# Altium PCB Board.PcbDoc (part 14 of 15) (continued)
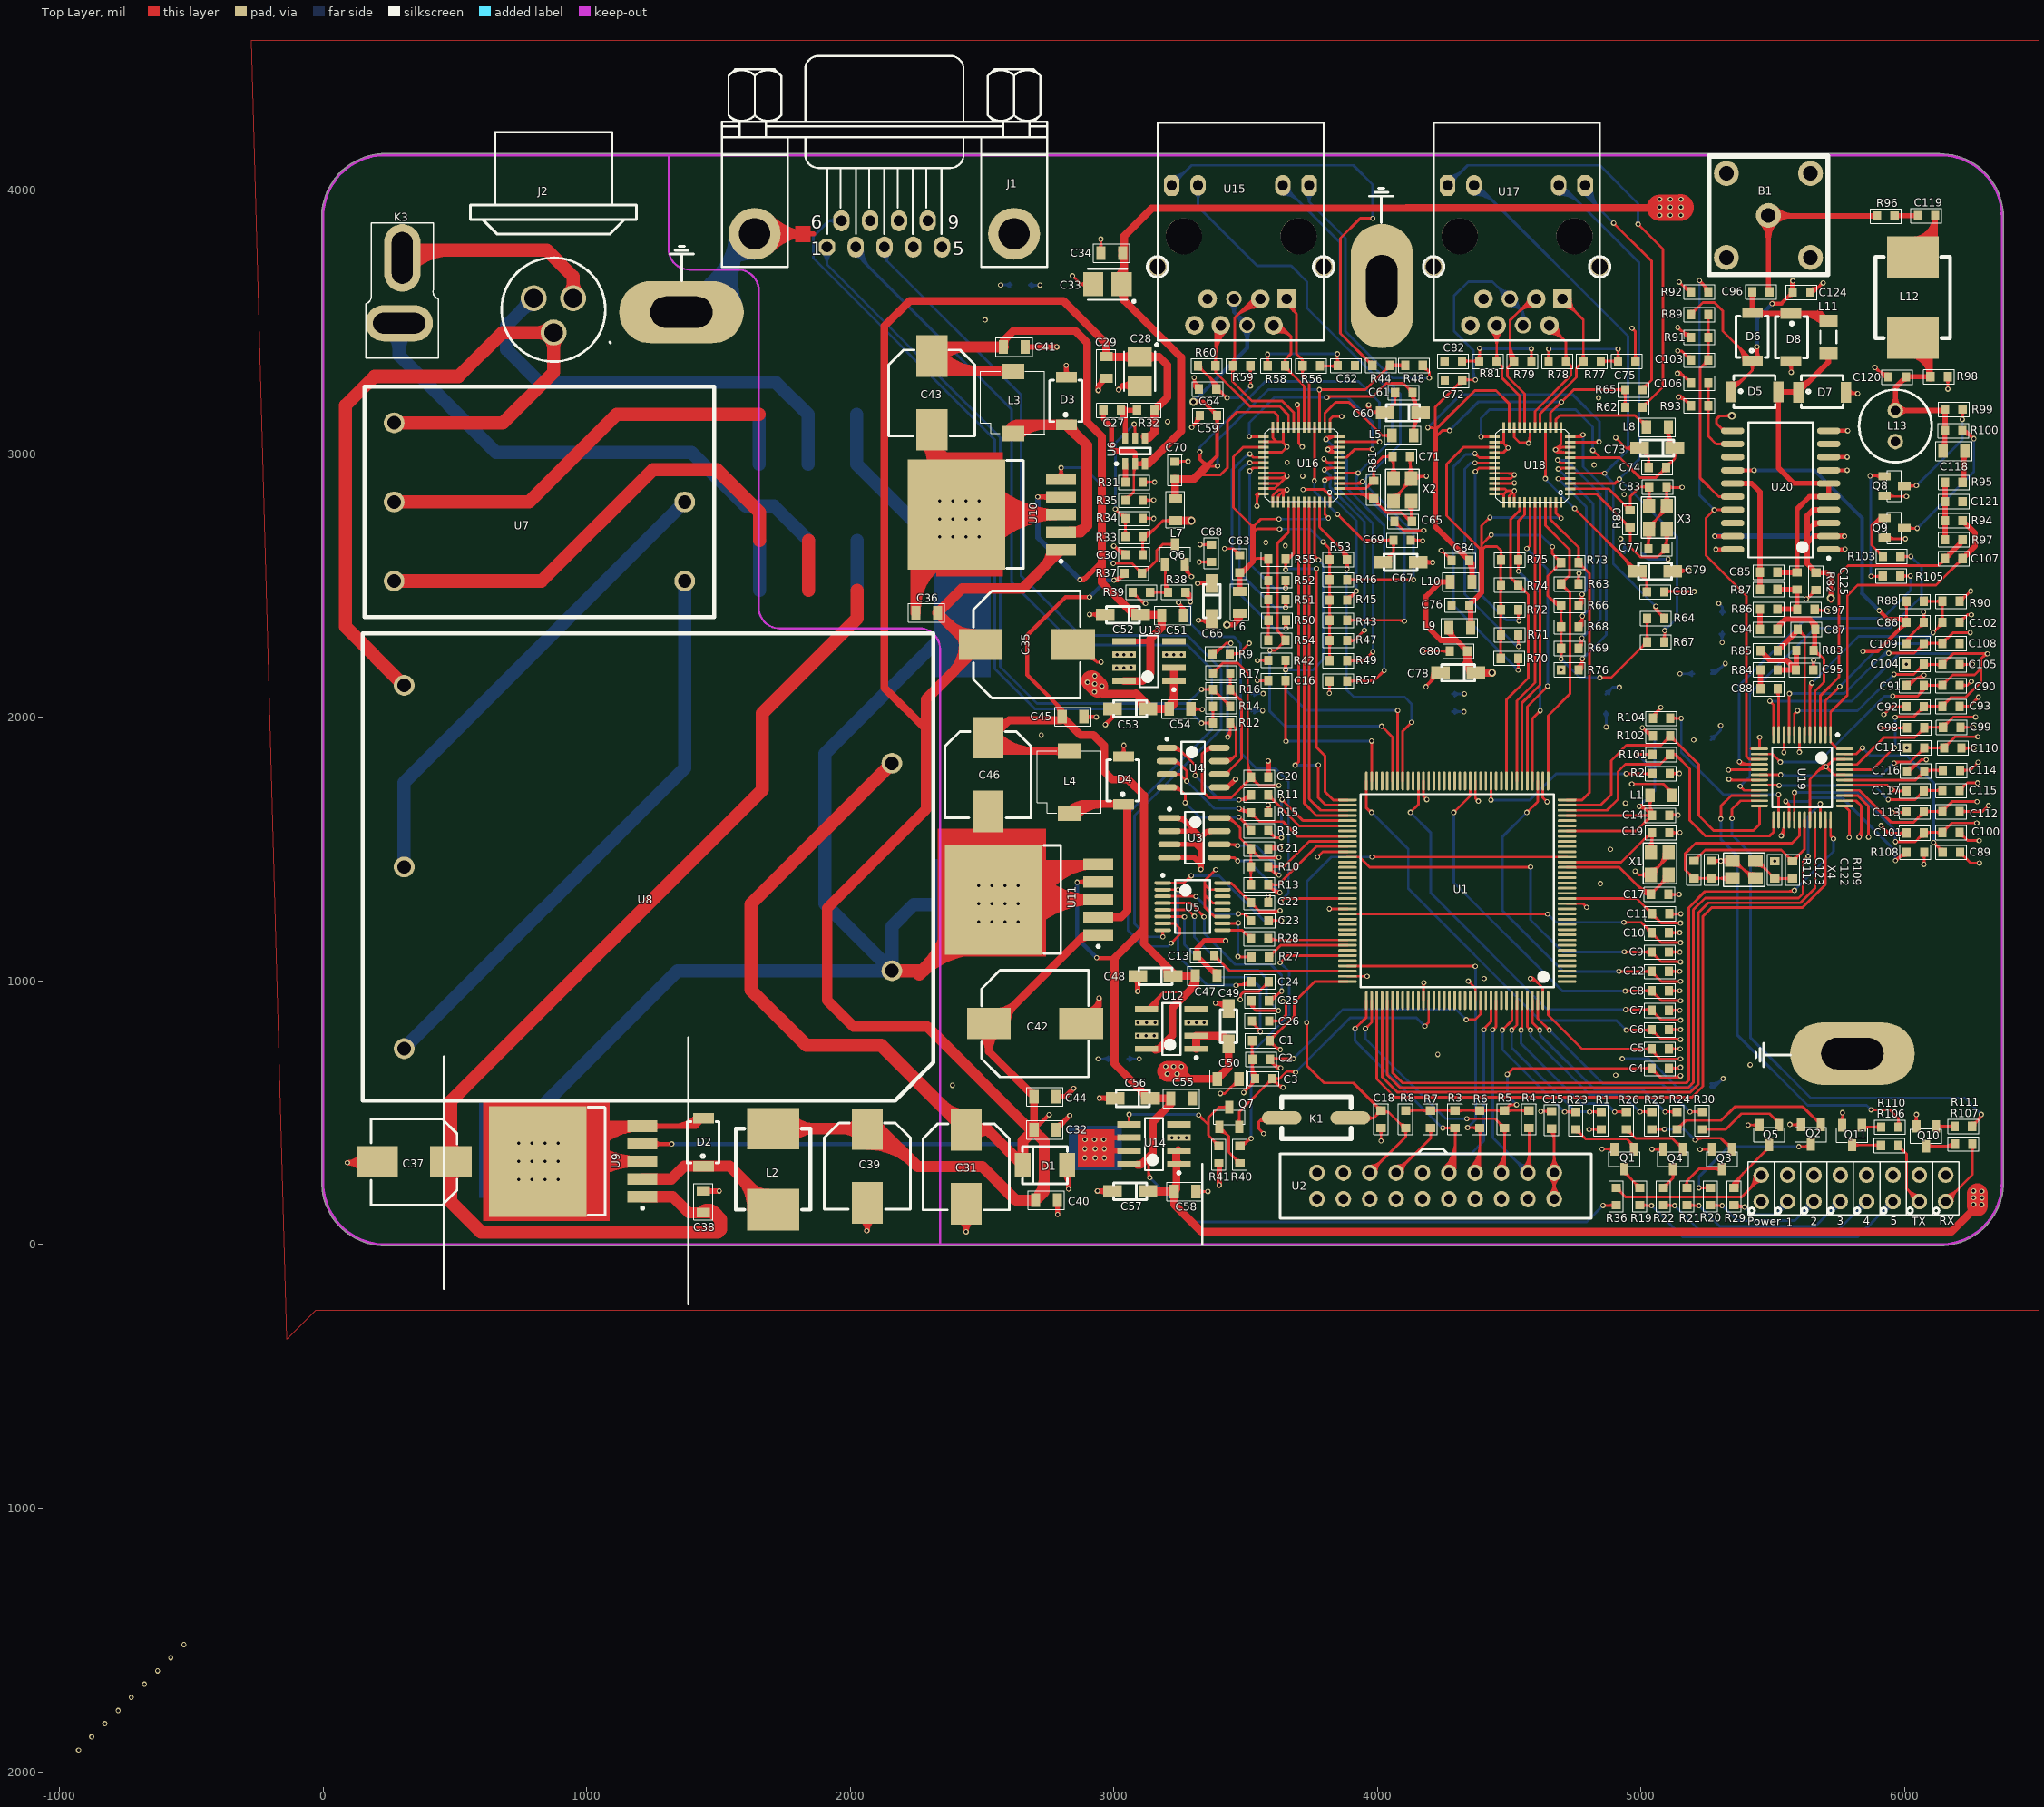
[diagram p0: Top Layer view]
## Nets (pads, with @x,y where several pads share a name; then routed paths per layer and width w, separated by ;. In a path a pad name is that pad's centre, name@x,y a point inside that pad or via, vN(x,y) a via of type N, cw(c..) or ccw(c..) an arc to the next point about the centre after c; other vN are vias at no path point) (continued)
  Top Layer w15: U20.7@5347.43,2937.45 v1(5428.6,2937.45) ; v1@5841.6,2251.45 5897.31,2251.45 C86.2@6006.45,2360.59 ; v1(5902.6,2405.45) 5934.6,2373.45 5990.6,2373.45 ; 5960.24,2373.45 cw(c5960.24,2316.35) C86.2@6000.62,2356.73 ; 5960.24,2373.45 cw(c5960.24,2316.35) C86.2@6000.62,2356.73 ; 5960.24,2373.45 cw(c5960.24,2316.35) C86.2@6000.62,2356.73 ; 5989.01,2343.15 cw(c6006.45,2325.71) C86.2@6006.45,2350.37 ; 5989.01,2343.15 cw(c6006.45,2325.71) C86.2@6006.45,2350.37 ; 5989.01,2343.15 cw(c6006.45,2325.71) C86.2@6006.45,2350.37 ; C86.2@5993.76,2347.9 ccw(c5983.04,2358.62) C86.2@5998.2,2358.62 ; C86.2@5993.76,2347.9 ccw(c5983.04,2358.62) C86.2@5998.2,2358.62 ; C86.2@5993.76,2347.9 ccw(c5983.04,2358.62) C86.2@5998.2,2358.62
  Top Layer w30: C57.2@3128.54,202.45 3129.54,201.45 C58.1@3228.6,201.45 ; U14.1@3236.6,298.45 U14.2@3236.6,348.45 ; U14.1@3237.6,296.45 3237.6,210.45 C58.1@3228.6,201.45 ; 6275.6,147.45 6177.6,49.45 3331.6,49.45 3228.6,152.45 C58.1@3228.6,201.45 ; C58.1@3226.68,211.24 ccw(c3200.31,237.61) 3237.6,237.61 ; C58.1@3226.68,211.24 ccw(c3200.31,237.61) 3237.6,237.61 ; C58.1@3226.68,211.24 ccw(c3200.31,237.61) 3237.6,237.61 ; 3236.6,321.89 ccw(c3263.04,321.89) U14.1@3244.34,303.19 ; 3236.6,321.89 ccw(c3263.04,321.89) U14.1@3244.34,303.19 ; 3236.6,321.89 ccw(c3263.04,321.89) U14.1@3244.34,303.19 ; 3236.6,339.01 cw(c3263.04,339.01) U14.2@3244.34,357.7 ; 3236.6,339.01 cw(c3263.04,339.01) U14.2@3244.34,357.7 ; 3236.6,339.01 cw(c3263.04,339.01) U14.2@3244.34,357.7 ; 3237.6,291.42 cw(c3260.63,291.42) U14.1@3244.34,307.7 ; 3237.6,291.42 cw(c3260.63,291.42) U14.1@3244.34,307.7 ; 3237.6,291.42 cw(c3260.63,291.42) U14.1@3244.34,307.7 ; 6256.7,128.55 ccw(c6232.8,152.45) v1@6266.6,152.45 ; 6256.7,128.55 ccw(c6232.8,152.45) v1@6266.6,152.45 ; 6256.7,128.55 ccw(c6232.8,152.45) v1@6266.6,152.45 ; 6278.94,150.79 cw(c6292.6,137.14) v1@6292.6,156.45 ; 6278.94,150.79 cw(c6292.6,137.14) v1@6292.6,156.45 ; 6278.94,150.79 cw(c6292.6,137.14) v1@6292.6,156.45 ; 6278.94,150.79 cw(c6292.6,137.14) v1@6292.6,156.45 ; 6278.94,150.79 cw(c6292.6,137.14) v1@6292.6,156.45 ; 6278.94,150.79 cw(c6292.6,137.14) v1@6292.6,156.45
  Top Layer w80: 6275.6,147.45 6275.6,192.45
  Bottom Layer w10: C.1@5263.6,597.45 5279.6,597.45 v1(5311.6,629.45) cw(c5265.01,676.03) C.1@5263.8,610.16 ; C.1@5263.61,600.17 ccw(c5264.41,643.36) 5294.96,612.81 ; C.1@5265.6,1914.45 5301.6,1950.45 v1(5301.6,1969.45) ; C.1@5265.6,1927.17 ccw(c5265.6,1957.87) 5287.31,1936.16 ; C.1@5266.6,2165.45 5280.6,2165.45 v1(5319.6,2204.45) ; C.1@5266.6,2168.17 ccw(c5266.6,2208.52) 5295.14,2179.99 ; C.1@5266.6,2178.17 ccw(c5266.6,2242.66) 5312.21,2197.06 ; C.1@5276.35,1916.42 cw(c5297.54,1916.42) 5282.55,1931.4 ; v1@5298.06,1965.91 cw(c5289.53,1957.38) 5301.6,1957.38 cw(c5313.67,1957.38) v1@5305.13,1965.91 ; C.2@5299.03,2316.85 cw(c5278.34,2296.16) 5307.6,2296.16 ; v1@5304.06,2287.98 ccw(c5295.53,2296.52) 5307.6,2296.52 ccw(c5319.67,2296.52) v1@5311.13,2287.98 ; v1@5306.6,629.45 cw(c5294.53,629.45) 5303.06,620.91 cw(c5311.6,612.38) v1@5311.6,624.45 ; v1(5307.6,2284.45) 5307.6,2323.45 C.2@5308.6,2324.45 ; 5307.6,2300.84 cw(c5330.24,2300.84) C.2@5314.23,2316.85 ; v1@5314.6,2204.45 cw(c5302.53,2204.45) 5311.06,2195.91 cw(c5319.6,2187.38) v1@5319.6,2199.45 ; v1(5529.6,1782.45) 5532.21,1779.84 5910.99,1779.84 5959.6,1828.45 v1(5959.6,1826.45) ; v1@5533.13,1778.91 cw(c5541.67,1770.38) 5541.67,1782.45 cw(c5541.67,1794.52) v1@5533.13,1785.98 ; v1(5562.6,2090.45) 5771.6,2090.45 5924.6,2243.45 v1(5939.6,2243.45) ; v1(5581.6,1715.45) 5820.6,1715.45 5964.6,1571.45 v1(5964.6,1528.45) ; v1@5533.13,1785.98 ccw(c5547.97,1800.82) 5547.97,1779.84 cw(c5547.97,1800.82) v1@5533.13,1785.98 ; v1@5566.13,2086.91 cw(c5574.67,2078.38) 5574.67,2090.45 ; v1@5566.13,2086.91 cw(c5574.67,2078.38) 5574.67,2090.45 ; v1@5566.13,2086.91 cw(c5574.67,2078.38) 5574.67,2090.45 ; v1@5566.13,2093.98 ccw(c5574.67,2102.52) 5574.67,2090.45 ; v1@5566.13,2093.98 ccw(c5574.67,2102.52) 5574.67,2090.45 ; v1@5566.13,2093.98 ccw(c5574.67,2102.52) 5574.67,2090.45 ; v1@5585.13,1711.91 cw(c5593.67,1703.38) 5593.67,1715.45 ; v1@5585.13,1711.91 cw(c5593.67,1703.38) 5593.67,1715.45 ; v1@5585.13,1711.91 cw(c5593.67,1703.38) 5593.67,1715.45 ; v1@5585.13,1718.98 ccw(c5593.67,1727.52) 5593.67,1715.45 ; v1@5585.13,1718.98 ccw(c5593.67,1727.52) 5593.67,1715.45 ; v1@5585.13,1718.98 ccw(c5593.67,1727.52) 5593.67,1715.45 ; 5905.46,2224.31 cw(c5939.6,2190.16) v1@5939.6,2238.45 ; 5905.46,2224.31 cw(c5939.6,2190.16) v1@5939.6,2238.45 ; 5905.46,2224.31 cw(c5939.6,2190.16) v1@5939.6,2238.45 ; 5922.53,2241.38 cw(c5939.6,2224.31) v1@5939.6,2248.45 ; 5922.53,2241.38 cw(c5939.6,2224.31) v1@5939.6,2248.45 ; 5922.53,2241.38 cw(c5939.6,2224.31) v1@5939.6,2248.45 ; 5927.53,2243.45 cw(c5927.53,2231.38) v1@5936.06,2239.91 ; 5927.53,2243.45 ccw(c5927.53,2255.52) v1@5936.06,2246.98 ; 5927.53,2243.45 cw(c5927.53,2231.38) v1@5936.06,2239.91 ; 5927.53,2243.45 ccw(c5927.53,2255.52) v1@5936.06,2246.98 ; 5927.53,2243.45 ccw(c5927.53,2255.52) v1@5936.06,2246.98 ; 5927.53,2243.45 cw(c5927.53,2231.38) v1@5936.06,2239.91 ; 5947.65,1816.5 cw(c5959.6,1804.55) v1@5959.6,1821.45 ; 5947.65,1816.5 cw(c5959.6,1804.55) v1@5959.6,1821.45 ; 5947.65,1816.5 cw(c5959.6,1804.55) v1@5959.6,1821.45 ; v1@5961.06,1531.98 ccw(c5952.53,1540.52) 5964.6,1540.52 ; v1@5961.06,1531.98 ccw(c5952.53,1540.52) 5964.6,1540.52 ; v1@5961.06,1531.98 ccw(c5952.53,1540.52) 5964.6,1540.52 ; 5964.6,1540.52 ccw(c5976.67,1540.52) v1@5968.13,1531.98 ; 5964.6,1540.52 ccw(c5976.67,1540.52) v1@5968.13,1531.98 ; 5964.6,1540.52 ccw(c5976.67,1540.52) v1@5968.13,1531.98 ; 5917.1,2235.95 cw(c5929.27,2223.77) 5937.28,2239.02 ccw(c5929.27,2223.77) 5917.1,2235.95 ; 5926.71,2245.56 cw(c5935.89,2236.38) 5941.92,2247.88 ccw(c5935.89,2236.38) 5926.71,2245.56
  Bottom Layer w15: v1(5428.6,2937.45) 5657.6,2937.45 5838.6,2756.45 5838.6,2469.95 ; 5838.1,2469.95 v1(5902.6,2405.45)
  other v1: 6292.6,151.45 6261.6,152.45 6261.6,177.95 6293.6,177.45 6292.6,202.45 6261.6,203.45 5841.6,2250.45
VDD_CORE: C114.2 C115.2 C116.2 C117.2 U19.20 U19.42 | length 2062.7
  Top Layer w10: U19.20@5449.18,1742.92 5522.13,1742.92 v1(5523.6,1741.45) ; U19.42@5772.02,1762.61 6040.76,1762.61 C116.2@6074.6,1796.45 6077.6,1799.45 C114.2@6144.6,1799.45 ; v1(5937.6,1688.45) 6039.88,1688.45 6074.34,1722.9 C115.2@6142.6,1722.9 ; 5507.97,1742.92 cw(c5507.97,1725.82) v1@5520.06,1737.91 ; 5507.97,1742.92 cw(c5507.97,1725.82) v1@5520.06,1737.91 ; 5507.97,1742.92 cw(c5507.97,1725.82) v1@5520.06,1737.91 ; v1@5941.13,1684.91 cw(c5949.67,1676.38) 5949.67,1688.45 ; v1@5941.13,1684.91 cw(c5949.67,1676.38) 5949.67,1688.45 ; v1@5941.13,1684.91 cw(c5949.67,1676.38) 5949.67,1688.45 ; v1@5941.13,1691.98 ccw(c5949.67,1700.52) 5949.67,1688.45 ; v1@5941.13,1691.98 ccw(c5949.67,1700.52) 5949.67,1688.45 ; v1@5941.13,1691.98 ccw(c5949.67,1700.52) 5949.67,1688.45 ; 6050.89,1699.46 cw(c6072.6,1677.75) C117.2@6072.6,1708.45 ; 6050.89,1699.46 cw(c6072.6,1677.75) C117.2@6072.6,1708.45 ; 6050.89,1699.46 cw(c6072.6,1677.75) C117.2@6072.6,1708.45 ; 6052.89,1774.74 cw(c6074.6,1753.03) C116.2@6074.6,1783.73 ; 6052.89,1774.74 cw(c6074.6,1753.03) C116.2@6074.6,1783.73 ; 6052.89,1774.74 cw(c6074.6,1753.03) C116.2@6074.6,1783.73 ; 6055.64,1704.21 ccw(c6040.65,1719.2) C117.2@6061.85,1719.2 ; 6055.64,1704.21 ccw(c6040.65,1719.2) C117.2@6061.85,1719.2 ; 6055.64,1704.21 ccw(c6040.65,1719.2) C117.2@6061.85,1719.2 ; 6057.64,1779.49 ccw(c6042.65,1794.48) C116.2@6063.85,1794.48 ; 6057.64,1779.49 ccw(c6042.65,1794.48) C116.2@6063.85,1794.48 ; 6057.64,1779.49 ccw(c6042.65,1794.48) C116.2@6063.85,1794.48 ; C117.2@6080.2,1715.53 cw(c6097.99,1697.74) 6097.99,1722.9 ; C117.2@6080.2,1715.53 cw(c6097.99,1697.74) 6097.99,1722.9 ; C117.2@6080.2,1715.53 cw(c6097.99,1697.74) 6097.99,1722.9 ; C117.2@6080.2,1730.73 ccw(c6099.1,1749.64) 6099.1,1722.9 ; C117.2@6080.2,1730.73 ccw(c6099.1,1749.64) 6099.1,1722.9 ; C117.2@6080.2,1730.73 ccw(c6099.1,1749.64) 6099.1,1722.9 ; C116.2@6082.2,1790.82 cw(c6103.04,1769.98) 6103.04,1799.45 ; C116.2@6082.2,1790.82 cw(c6103.04,1769.98) 6103.04,1799.45 ; C116.2@6082.2,1790.82 cw(c6103.04,1769.98) 6103.04,1799.45 ; C116.2@6082.2,1806.02 ccw(c6098.06,1821.88) 6098.06,1799.45 ; C116.2@6082.2,1806.02 ccw(c6098.06,1821.88) 6098.06,1799.45 ; C116.2@6082.2,1806.02 ccw(c6098.06,1821.88) 6098.06,1799.45 ; 6116.65,1722.9 cw(c6116.65,1696.95) C115.2@6135,1715.3 ; 6116.65,1722.9 ccw(c6116.65,1748.85) C115.2@6135,1730.5 ; 6116.65,1722.9 cw(c6116.65,1696.95) C115.2@6135,1715.3 ; 6116.65,1722.9 ccw(c6116.65,1748.85) C115.2@6135,1730.5 ; 6116.65,1722.9 ccw(c6116.65,1748.85) C115.2@6135,1730.5 ; 6116.65,1722.9 cw(c6116.65,1696.95) C115.2@6135,1715.3 ; 6118.65,1799.45 cw(c6118.65,1773.5) C114.2@6137,1791.85 ; 6118.65,1799.45 ccw(c6118.65,1825.4) C114.2@6137,1807.05 ; 6118.65,1799.45 cw(c6118.65,1773.5) C114.2@6137,1791.85 ; 6118.65,1799.45 ccw(c6118.65,1825.4) C114.2@6137,1807.05 ; 6118.65,1799.45 ccw(c6118.65,1825.4) C114.2@6137,1807.05 ; 6118.65,1799.45 cw(c6118.65,1773.5) C114.2@6137,1791.85
  Bottom Layer w10: v1(5523.6,1741.45) 5884.6,1741.45 v1(5937.6,1688.45) ; v1@5527.13,1737.91 cw(c5535.67,1729.38) 5535.67,1741.45 ; v1@5527.13,1737.91 cw(c5535.67,1729.38) 5535.67,1741.45 ; v1@5527.13,1737.91 cw(c5535.67,1729.38) 5535.67,1741.45 ; v1@5527.13,1744.98 ccw(c5535.67,1753.52) 5535.67,1741.45 ; v1@5527.13,1744.98 ccw(c5535.67,1753.52) 5535.67,1741.45 ; v1@5527.13,1744.98 ccw(c5535.67,1753.52) 5535.67,1741.45 ; 5929.06,1696.98 cw(c5920.53,1688.45) v1@5932.6,1688.45 ; 5929.06,1696.98 ccw(c5937.6,1705.52) v1@5937.6,1693.45 ; 5929.06,1696.98 cw(c5920.53,1688.45) v1@5932.6,1688.45 ; 5929.06,1696.98 ccw(c5937.6,1705.52) v1@5937.6,1693.45 ; 5929.06,1696.98 ccw(c5937.6,1705.52) v1@5937.6,1693.45 ; 5929.06,1696.98 cw(c5920.53,1688.45) v1@5932.6,1688.45
XI1: C65.2 R61.1 U16.1 X2.1 | length 1389
  Top Layer w10: U16.1@3855.6,2848.45 3968.6,2848.45 ; R61.1@3973.09,2833.57 ccw(c3956.97,2836.82) 3968.6,2848.45 ; X2.1@4127.6,2820.45 4127.6,2746.45 C65.2@4130.6,2743.45 4123.6,2743.45 4089.6,2777.45 4034.1,2777.45 3985.6,2825.95 R61.1@3985.6,2831.45 3968.6,2848.45 ; 3968.64,2848.4 ccw(c3983.63,2863.39) R61.1@3983.63,2842.2 ; 3968.64,2848.4 ccw(c3983.63,2863.39) R61.1@3983.63,2842.2 ; 3968.64,2848.4 ccw(c3983.63,2863.39) R61.1@3983.63,2842.2 ; R61.1@3998.31,2831.45 ccw(c4042.28,2831.45) 4011.19,2800.36 ; R61.1@3998.31,2831.45 ccw(c4042.28,2831.45) 4011.19,2800.36 ; R61.1@3998.31,2831.45 ccw(c4042.28,2831.45) 4011.19,2800.36 ; 4096.94,2770.11 ccw(c4130.6,2803.77) C65.2@4130.6,2756.17 ; 4096.94,2770.11 ccw(c4130.6,2803.77) C65.2@4130.6,2756.17 ; 4096.94,2770.11 ccw(c4130.6,2803.77) C65.2@4130.6,2756.17 ; 4114.01,2753.04 ccw(c4130.6,2769.62) C65.2@4130.6,2746.17 ; 4114.01,2753.04 ccw(c4130.6,2769.62) C65.2@4130.6,2746.17 ; 4114.01,2753.04 ccw(c4130.6,2769.62) C65.2@4130.6,2746.17 ; X2.1@4114.43,2803.34 cw(c4082.64,2771.55) 4127.6,2771.55 ; X2.1@4114.43,2803.34 cw(c4082.64,2771.55) 4127.6,2771.55 ; X2.1@4114.43,2803.34 cw(c4082.64,2771.55) 4127.6,2771.55 ; C65.2@4123,2753.02 ccw(c4111.89,2764.12) 4127.6,2764.12 ; C65.2@4123,2753.02 ccw(c4111.89,2764.12) 4127.6,2764.12 ; C65.2@4123,2753.02 ccw(c4111.89,2764.12) 4127.6,2764.12 ; 4127.6,2771.55 cw(c4172.56,2771.55) X2.1@4140.77,2803.34 ; 4127.6,2771.55 cw(c4172.56,2771.55) X2.1@4140.77,2803.34 ; 4127.6,2771.55 cw(c4172.56,2771.55) X2.1@4140.77,2803.34 ; 4127.6,2778.61 ccw(c4163.79,2778.61) C65.2@4138.2,2753.02 ; 4127.6,2778.61 ccw(c4163.79,2778.61) C65.2@4138.2,2753.02 ; 4127.6,2778.61 ccw(c4163.79,2778.61) C65.2@4138.2,2753.02 ; 3916.64,2848.45 cw(c3916.64,2764.46) 3976.03,2823.85 ccw(c3916.64,2764.46) 3916.64,2848.45 ; 3940.78,2848.45 cw(c3940.78,2788.6) 3983.1,2830.92 ccw(c3940.78,2788.6) 3940.78,2848.45 ; 3964.92,2848.45 cw(c3964.92,2812.74) 3990.17,2837.99 ccw(c3964.92,2812.74) 3964.92,2848.45 ; 3967.62,2849.43 cw(c3954.09,2835.91) 3973,2833.05 ccw(c3954.09,2835.91) 3967.62,2849.43
XI2: C77.2 R80.1 U18.1 X3.1 | length 1294.2
  Top Layer w10: U18.1@4731.6,2847.45 4830.6,2847.45 R80.1@4958.6,2719.45 4958.6,2646.45 4996.6,2608.45 5062.6,2608.45 C77.2@5093.6,2639.45 5097.6,2643.45 X3.1@5097.6,2714.45 ; 4936.89,2741.16 cw(c4915.18,2719.45) R80.1@4945.88,2719.45 ; 4936.89,2741.16 cw(c4915.18,2719.45) R80.1@4945.88,2719.45 ; 4936.89,2741.16 cw(c4915.18,2719.45) R80.1@4945.88,2719.45 ; 4941.64,2736.4 ccw(c4956.63,2751.39) R80.1@4956.63,2730.2 ; 4941.64,2736.4 ccw(c4956.63,2751.39) R80.1@4956.63,2730.2 ; 4941.64,2736.4 ccw(c4956.63,2751.39) R80.1@4956.63,2730.2 ; R80.1@4951,2711.85 cw(c4932.65,2693.5) 4958.6,2693.5 ; R80.1@4951,2711.85 cw(c4932.65,2693.5) 4958.6,2693.5 ; R80.1@4951,2711.85 cw(c4932.65,2693.5) 4958.6,2693.5 ; 4958.6,2693.5 cw(c4984.55,2693.5) R80.1@4966.2,2711.85 ; 4958.6,2693.5 cw(c4984.55,2693.5) R80.1@4966.2,2711.85 ; 4958.6,2693.5 cw(c4984.55,2693.5) R80.1@4966.2,2711.85 ; 5071.89,2617.74 cw(c5093.6,2596.03) C77.2@5093.6,2626.73 ; 5071.89,2617.74 cw(c5093.6,2596.03) C77.2@5093.6,2626.73 ; 5071.89,2617.74 cw(c5093.6,2596.03) C77.2@5093.6,2626.73 ; 5076.64,2622.49 ccw(c5061.65,2637.48) C77.2@5082.85,2637.48 ; 5076.64,2622.49 ccw(c5061.65,2637.48) C77.2@5082.85,2637.48 ; 5076.64,2622.49 ccw(c5061.65,2637.48) C77.2@5082.85,2637.48 ; X3.1@5084.43,2697.34 cw(c5052.64,2665.55) 5097.6,2665.55 ; X3.1@5084.43,2697.34 cw(c5052.64,2665.55) 5097.6,2665.55 ; X3.1@5084.43,2697.34 cw(c5052.64,2665.55) 5097.6,2665.55 ; C77.2@5086,2649.02 ccw(c5057.99,2677.02) 5097.6,2677.02 ; C77.2@5086,2649.02 ccw(c5057.99,2677.02) 5097.6,2677.02 ; C77.2@5086,2649.02 ccw(c5057.99,2677.02) 5097.6,2677.02 ; 5097.6,2657.71 ccw(c5109.89,2657.71) C77.2@5101.2,2649.02 ; 5097.6,2657.71 ccw(c5109.89,2657.71) C77.2@5101.2,2649.02 ; 5097.6,2657.71 ccw(c5109.89,2657.71) C77.2@5101.2,2649.02 ; 5097.6,2665.55 cw(c5142.56,2665.55) X3.1@5110.77,2697.34 ; 5097.6,2665.55 cw(c5142.56,2665.55) X3.1@5110.77,2697.34 ; 5097.6,2665.55 cw(c5142.56,2665.55) X3.1@5110.77,2697.34
XIN: C123.1 R112.1 U19.30 X4.1 | length 1476.9
  Top Layer w10: X4.1@5346.6,1389.45 C123.1@5268.6,1389.45 R112.1@5200.6,1389.45 5166.6,1423.45 5166.6,1482.45 5206.6,1522.45 5572.6,1522.45 5600.76,1550.61 U19.30@5600.76,1611.03 ; 5178.89,1411.16 cw(c5157.18,1389.45) R112.1@5187.88,1389.45 ; 5178.89,1411.16 cw(c5157.18,1389.45) R112.1@5187.88,1389.45 ; 5178.89,1411.16 cw(c5157.18,1389.45) R112.1@5187.88,1389.45 ; 5183.64,1406.4 ccw(c5198.63,1421.39) R112.1@5198.63,1400.2 ; 5183.64,1406.4 ccw(c5198.63,1421.39) R112.1@5198.63,1400.2 ; 5183.64,1406.4 ccw(c5198.63,1421.39) R112.1@5198.63,1400.2 ; R112.1@5210.17,1381.85 cw(c5228.51,1363.5) 5228.51,1389.45 ; R112.1@5210.17,1381.85 cw(c5228.51,1363.5) 5228.51,1389.45 ; R112.1@5210.17,1381.85 cw(c5228.51,1363.5) 5228.51,1389.45 ; R112.1@5210.17,1397.05 ccw(c5228.51,1415.4) 5228.51,1389.45 ; R112.1@5210.17,1397.05 ccw(c5228.51,1415.4) 5228.51,1389.45 ; R112.1@5210.17,1397.05 ccw(c5228.51,1415.4) 5228.51,1389.45 ; 5240.68,1389.45 cw(c5240.68,1363.5) C123.1@5259.03,1381.85 ; 5240.68,1389.45 ccw(c5240.68,1415.4) C123.1@5259.03,1397.05 ; 5240.68,1389.45 cw(c5240.68,1363.5) C123.1@5259.03,1381.85 ; 5240.68,1389.45 ccw(c5240.68,1415.4) C123.1@5259.03,1397.05 ; 5240.68,1389.45 ccw(c5240.68,1415.4) C123.1@5259.03,1397.05 ; 5240.68,1389.45 cw(c5240.68,1363.5) C123.1@5259.03,1381.85 ; C123.1@5278.17,1381.85 cw(c5296.51,1363.5) 5296.51,1389.45 ; C123.1@5278.17,1381.85 cw(c5296.51,1363.5) 5296.51,1389.45 ; C123.1@5278.17,1381.85 cw(c5296.51,1363.5) 5296.51,1389.45 ; C123.1@5278.17,1397.05 ccw(c5296.51,1415.4) 5296.51,1389.45 ; C123.1@5278.17,1397.05 ccw(c5296.51,1415.4) 5296.51,1389.45 ; C123.1@5278.17,1397.05 ccw(c5296.51,1415.4) 5296.51,1389.45 ; 5297.7,1389.45 cw(c5297.7,1344.49) X4.1@5329.49,1376.28 ; 5297.7,1389.45 ccw(c5297.7,1434.41) X4.1@5329.49,1402.62 ; 5297.7,1389.45 cw(c5297.7,1344.49) X4.1@5329.49,1376.28 ; 5297.7,1389.45 ccw(c5297.7,1434.41) X4.1@5329.49,1402.62 ; 5297.7,1389.45 ccw(c5297.7,1434.41) X4.1@5329.49,1402.62 ; 5297.7,1389.45 cw(c5297.7,1344.49) X4.1@5329.49,1376.28
XO1: C71.2 R61.2 U16.2 X2.3 | length 1069.7
  Top Layer w10: U16.2@3855.6,2868.13 3956.28,2868.13 R61.2@3985.6,2897.45 3985.6,2953.45 4021.6,2989.45 C71.2@4057.6,2989.45 4060.67,2986.38 X2.3@4060.67,2907.06 ; 3963.89,2875.74 ccw(c3942.18,2897.45) R61.2@3972.88,2897.45 ; 3963.89,2875.74 ccw(c3942.18,2897.45) R61.2@3972.88,2897.45 ; 3963.89,2875.74 ccw(c3942.18,2897.45) R61.2@3972.88,2897.45 ; 3968.64,2880.49 cw(c3983.63,2865.51) R61.2@3983.63,2886.7 ; 3968.64,2880.49 cw(c3983.63,2865.51) R61.2@3983.63,2886.7 ; 3968.64,2880.49 cw(c3983.63,2865.51) R61.2@3983.63,2886.7 ; R61.2@3978,2905.05 ccw(c3959.65,2923.4) 3985.6,2923.4 ; R61.2@3978,2905.05 ccw(c3959.65,2923.4) 3985.6,2923.4 ; R61.2@3978,2905.05 ccw(c3959.65,2923.4) 3985.6,2923.4 ; 3985.6,2923.4 ccw(c4011.55,2923.4) R61.2@3993.2,2905.05 ; 3985.6,2923.4 ccw(c4011.55,2923.4) R61.2@3993.2,2905.05 ; 3985.6,2923.4 ccw(c4011.55,2923.4) R61.2@3993.2,2905.05 ; 4031.65,2989.45 cw(c4031.65,2963.5) C71.2@4050,2981.85 ; 4031.65,2989.45 ccw(c4031.65,3015.4) C71.2@4050,2997.05 ; 4031.65,2989.45 cw(c4031.65,2963.5) C71.2@4050,2981.85 ; 4031.65,2989.45 ccw(c4031.65,3015.4) C71.2@4050,2997.05 ; 4031.65,2989.45 ccw(c4031.65,3015.4) C71.2@4050,2997.05 ; 4031.65,2989.45 cw(c4031.65,2963.5) C71.2@4050,2981.85 ; X2.3@4047.5,2924.17 ccw(c4015.71,2955.96) 4060.67,2955.96 ; X2.3@4047.5,2924.17 ccw(c4015.71,2955.96) 4060.67,2955.96 ; X2.3@4047.5,2924.17 ccw(c4015.71,2955.96) 4060.67,2955.96 ; C71.2@4050,2979.88 cw(c4024.24,2954.12) 4060.67,2954.12 ; C71.2@4050,2979.88 cw(c4024.24,2954.12) 4060.67,2954.12 ; C71.2@4050,2979.88 cw(c4024.24,2954.12) 4060.67,2954.12 ; 4060.67,2955.96 ccw(c4105.63,2955.96) X2.3@4073.84,2924.17 ; 4060.67,2955.96 ccw(c4105.63,2955.96) X2.3@4073.84,2924.17 ; 4060.67,2955.96 ccw(c4105.63,2955.96) X2.3@4073.84,2924.17 ; 4060.67,2968.95 cw(c4076.13,2968.95) C71.2@4065.2,2979.88 ; 4060.67,2968.95 cw(c4076.13,2968.95) C71.2@4065.2,2979.88 ; 4060.67,2968.95 cw(c4076.13,2968.95) C71.2@4065.2,2979.88
XO2: C83.2 R80.2 U18.2 X3.3 | length 1175.3
  Top Layer w10: U18.2@4731.6,2867.45 4876.6,2867.45 R80.2@4958.6,2785.45 4958.6,2838.45 4994.6,2874.45 C83.2@5030.6,2874.45 5030.6,2801.13 X3.3@5030.67,2801.06 ; 4936.89,2807.16 cw(c4915.18,2785.45) R80.2@4945.88,2785.45 ; 4936.89,2807.16 cw(c4915.18,2785.45) R80.2@4945.88,2785.45 ; 4936.89,2807.16 cw(c4915.18,2785.45) R80.2@4945.88,2785.45 ; 4941.64,2802.4 ccw(c4956.63,2817.39) R80.2@4956.63,2796.2 ; 4941.64,2802.4 ccw(c4956.63,2817.39) R80.2@4956.63,2796.2 ; 4941.64,2802.4 ccw(c4956.63,2817.39) R80.2@4956.63,2796.2 ; R80.2@4951,2793.05 ccw(c4932.65,2811.4) 4958.6,2811.4 ; R80.2@4951,2793.05 ccw(c4932.65,2811.4) 4958.6,2811.4 ; R80.2@4951,2793.05 ccw(c4932.65,2811.4) 4958.6,2811.4 ; 4958.6,2811.4 ccw(c4984.55,2811.4) R80.2@4966.2,2793.05 ; 4958.6,2811.4 ccw(c4984.55,2811.4) R80.2@4966.2,2793.05 ; 4958.6,2811.4 ccw(c4984.55,2811.4) R80.2@4966.2,2793.05 ; 5004.65,2874.45 cw(c5004.65,2848.5) C83.2@5023,2866.85 ; 5004.65,2874.45 ccw(c5004.65,2900.4) C83.2@5023,2882.05 ; 5004.65,2874.45 cw(c5004.65,2848.5) C83.2@5023,2866.85 ; 5004.65,2874.45 ccw(c5004.65,2900.4) C83.2@5023,2882.05 ; 5004.65,2874.45 ccw(c5004.65,2900.4) C83.2@5023,2882.05 ; 5004.65,2874.45 cw(c5004.65,2848.5) C83.2@5023,2866.85 ; X3.3@5017.5,2818.17 ccw(c4985.88,2849.79) 5030.6,2849.79 ; X3.3@5017.5,2818.17 ccw(c4985.88,2849.79) 5030.6,2849.79 ; X3.3@5017.5,2818.17 ccw(c4985.88,2849.79) 5030.6,2849.79 ; C83.2@5023,2864.88 cw(c5004.65,2846.53) 5030.6,2846.53 ; C83.2@5023,2864.88 cw(c5004.65,2846.53) 5030.6,2846.53 ; C83.2@5023,2864.88 cw(c5004.65,2846.53) 5030.6,2846.53 ; 5030.6,2846.53 cw(c5056.55,2846.53) C83.2@5038.2,2864.88 ; 5030.6,2846.53 cw(c5056.55,2846.53) C83.2@5038.2,2864.88 ; 5030.6,2846.53 cw(c5056.55,2846.53) C83.2@5038.2,2864.88 ; 5030.6,2850.13 ccw(c5075.8,2850.13) X3.3@5043.84,2818.17 ; 5030.6,2850.13 ccw(c5075.8,2850.13) X3.3@5043.84,2818.17 ; 5030.6,2850.13 ccw(c5075.8,2850.13) X3.3@5043.84,2818.17
XOUT: R109.1 R112.2 U19.31 | length 951.6
  Top Layer w10: R112.2@5200.6,1455.45 5242.6,1497.45 5531.6,1497.45 R109.1@5574.6,1454.45 5620.44,1500.29 U19.31@5620.44,1611.03 ; R112.2@5202.57,1466.2 ccw(c5202.57,1487.39) 5217.55,1472.4 ; R112.2@5202.57,1466.2 ccw(c5202.57,1487.39) 5217.55,1472.4 ; R112.2@5202.57,1466.2 ccw(c5202.57,1487.39) 5217.55,1472.4 ; R112.2@5213.31,1455.45 cw(c5244.02,1455.45) 5222.31,1477.16 ; R112.2@5213.31,1455.45 cw(c5244.02,1455.45) 5222.31,1477.16 ; R112.2@5213.31,1455.45 cw(c5244.02,1455.45) 5222.31,1477.16 ; 5552.89,1476.16 cw(c5531.18,1454.45) R109.1@5561.88,1454.45 ; 5552.89,1476.16 cw(c5531.18,1454.45) R109.1@5561.88,1454.45 ; 5552.89,1476.16 cw(c5531.18,1454.45) R109.1@5561.88,1454.45 ; 5557.64,1471.4 ccw(c5572.63,1486.39) R109.1@5572.63,1465.2 ; 5557.64,1471.4 ccw(c5572.63,1486.39) R109.1@5572.63,1465.2 ; 5557.64,1471.4 ccw(c5572.63,1486.39) R109.1@5572.63,1465.2 ; R109.1@5576.57,1465.2 ccw(c5576.57,1486.39) 5591.55,1471.4 ; R109.1@5576.57,1465.2 ccw(c5576.57,1486.39) 5591.55,1471.4 ; R109.1@5576.57,1465.2 ccw(c5576.57,1486.39) 5591.55,1471.4 ; R109.1@5587.31,1454.45 cw(c5618.02,1454.45) 5596.31,1476.16 ; R109.1@5587.31,1454.45 cw(c5618.02,1454.45) 5596.31,1476.16 ; R109.1@5587.31,1454.45 cw(c5618.02,1454.45) 5596.31,1476.16
XTALVDD1: C67.2 C69.2 U16.16 | length 1429
  Top Layer w10: v1(3760.6,2897.45) 3760.81,2897.66 U16.16@3760.81,3100.72 ; v1(3848.6,2770.45) 3946.6,2672.45 C69.2@4060.6,2672.45 4060.6,2628.39 ; C67.2@4020.66,2588.45 4060.6,2628.39 ; v1@3757.06,2900.98 ccw(c3748.01,2910.03) 3760.81,2910.03 ; v1@3757.06,2900.98 ccw(c3748.01,2910.03) 3760.81,2910.03 ; v1@3757.06,2900.98 ccw(c3748.01,2910.03) 3760.81,2910.03 ; 3760.81,2909.01 ccw(c3772.16,2909.01) v1@3764.13,2900.98 ; 3760.81,2909.01 ccw(c3772.16,2909.01) v1@3764.13,2900.98 ; 3760.81,2909.01 ccw(c3772.16,2909.01) v1@3764.13,2900.98 ; v1@3848.6,2765.45 cw(c3848.6,2753.38) 3857.13,2761.91 ; v1@3848.6,2765.45 cw(c3848.6,2753.38) 3857.13,2761.91 ; v1@3848.6,2765.45 cw(c3848.6,2753.38) 3857.13,2761.91 ; v1@3853.6,2770.45 ccw(c3865.67,2770.45) 3857.13,2761.91 ; v1@3853.6,2770.45 ccw(c3865.67,2770.45) 3857.13,2761.91 ; v1@3853.6,2770.45 ccw(c3865.67,2770.45) 3857.13,2761.91 ; C67.2@4032.47,2607.07 ccw(c4032.47,2623.51) C67.2@4044.1,2611.89 ; C67.2@4032.47,2607.07 ccw(c4032.47,2623.51) C67.2@4044.1,2611.89 ; C67.2@4032.47,2607.07 ccw(c4032.47,2623.51) C67.2@4044.1,2611.89 ; 4034.65,2672.45 cw(c4034.65,2646.5) C69.2@4053,2664.85 ; 4034.65,2672.45 ccw(c4034.65,2698.4) C69.2@4053,2680.05 ; 4034.65,2672.45 cw(c4034.65,2646.5) C69.2@4053,2664.85 ; 4034.65,2672.45 ccw(c4034.65,2698.4) C69.2@4053,2680.05 ; 4034.65,2672.45 ccw(c4034.65,2698.4) C69.2@4053,2680.05 ; 4034.65,2672.45 cw(c4034.65,2646.5) C69.2@4053,2664.85 ; C67.2@4040.85,2590.47 cw(c4066.99,2596.76) 4047.98,2615.77 ; C67.2@4040.85,2590.47 cw(c4066.99,2596.76) 4047.98,2615.77 ; C67.2@4040.85,2590.47 cw(c4066.99,2596.76) 4047.98,2615.77 ; C67.2@4050.58,2592.81 cw(c4087.32,2601.66) 4060.6,2628.38 ; C67.2@4050.58,2592.81 cw(c4087.32,2601.66) 4060.6,2628.38 ; C67.2@4050.58,2592.81 cw(c4087.32,2601.66) 4060.6,2628.38 ; C69.2@4053,2662.88 cw(c4034.65,2644.53) 4060.6,2644.53 ; C69.2@4053,2662.88 cw(c4034.65,2644.53) 4060.6,2644.53 ; C69.2@4053,2662.88 cw(c4034.65,2644.53) 4060.6,2644.53 ; 4060.6,2644.53 cw(c4086.55,2644.53) C69.2@4068.2,2662.88 ; 4060.6,2644.53 cw(c4086.55,2644.53) C69.2@4068.2,2662.88 ; 4060.6,2644.53 cw(c4086.55,2644.53) C69.2@4068.2,2662.88
  Bottom Layer w10: v1(3760.6,2897.45) 3760.6,2858.45 v1(3848.6,2770.45) ; v1@3757.06,2893.91 cw(c3748.53,2885.38) 3760.6,2885.38 ; v1@3757.06,2893.91 cw(c3748.53,2885.38) 3760.6,2885.38 ; v1@3757.06,2893.91 cw(c3748.53,2885.38) 3760.6,2885.38 ; 3760.6,2885.38 cw(c3772.67,2885.38) v1@3764.13,2893.91 ; 3760.6,2885.38 cw(c3772.67,2885.38) v1@3764.13,2893.91 ; 3760.6,2885.38 cw(c3772.67,2885.38) v1@3764.13,2893.91 ; 3840.06,2778.98 cw(c3831.53,2770.45) v1@3843.6,2770.45 ; 3840.06,2778.98 ccw(c3848.6,2787.52) v1@3848.6,2775.45 ; 3840.06,2778.98 cw(c3831.53,2770.45) v1@3843.6,2770.45 ; 3840.06,2778.98 ccw(c3848.6,2787.52) v1@3848.6,2775.45 ; 3840.06,2778.98 ccw(c3848.6,2787.52) v1@3848.6,2775.45 ; 3840.06,2778.98 cw(c3831.53,2770.45) v1@3843.6,2770.45
XTALVDD2: C79.2 C81.2 U18.16 | length 1591.6
  Top Layer w10: U18.16@4636.81,3099.72 v1(4636.81,2906.24) v1@4639.6,2903.45 ; v1(4747.6,2792.45) 4747.66,2792.45 C79.2@4985.66,2554.45 5021.6,2518.51 ; C79.2@5005.58,2551.52 ccw(c5025.24,2544.43) 5010.46,2529.65 ; C79.2@5014.99,2548.13 ccw(c5041.61,2538.52) 5021.6,2518.51 ; C81.2@5021.6,2476.45 5021.6,2518.51 ; v1@4633.28,2909.77 ccw(c4624.74,2918.31) 4636.81,2918.31 ; v1@4633.28,2909.77 ccw(c4624.74,2918.31) 4636.81,2918.31 ; v1@4633.28,2909.77 ccw(c4624.74,2918.31) 4636.81,2918.31 ; 4636.81,2918.31 ccw(c4648.88,2918.31) v1@4640.35,2909.77 ; 4636.81,2918.31 ccw(c4648.88,2918.31) v1@4640.35,2909.77 ; 4636.81,2918.31 ccw(c4648.88,2918.31) v1@4640.35,2909.77 ; v1@4747.6,2787.45 cw(c4747.6,2775.23) 4756.24,2783.87 ; v1@4747.6,2787.45 cw(c4747.6,2775.23) 4756.24,2783.87 ; v1@4747.6,2787.45 cw(c4747.6,2775.23) 4756.24,2783.87 ; v1@4752.6,2792.45 ccw(c4764.52,2792.45) 4756.09,2784.02 ; v1@4752.6,2792.45 ccw(c4764.52,2792.45) 4756.09,2784.02 ; v1@4752.6,2792.45 ccw(c4764.52,2792.45) 4756.09,2784.02 ; 4933.71,2606.4 cw(c4881.76,2554.45) C79.2@4955.23,2554.45 ; 4933.71,2606.4 cw(c4881.76,2554.45) C79.2@4955.23,2554.45 ; 4933.71,2606.4 cw(c4881.76,2554.45) C79.2@4955.23,2554.45 ; 4950.78,2589.33 cw(c4915.9,2554.45) C79.2@4965.23,2554.45 ; 4950.78,2589.33 cw(c4915.9,2554.45) C79.2@4965.23,2554.45 ; 4950.78,2589.33 cw(c4915.9,2554.45) C79.2@4965.23,2554.45 ; C79.2@4962.22,2577.89 ccw(c4973.85,2589.51) C79.2@4973.85,2573.07 ; C79.2@4962.22,2577.89 ccw(c4973.85,2589.51) C79.2@4973.85,2573.07 ; C79.2@4962.22,2577.89 ccw(c4973.85,2589.51) C79.2@4973.85,2573.07 ; C79.2@4997.47,2535.83 cw(c4997.47,2519.38) C79.2@5009.1,2531.01 ; C79.2@4997.47,2535.83 cw(c4997.47,2519.38) C79.2@5009.1,2531.01 ; C79.2@4997.47,2535.83 cw(c4997.47,2519.38) C79.2@5009.1,2531.01 ; C81.2@5014,2486.02 ccw(c4995.65,2504.37) 5021.6,2504.37 ; C81.2@5014,2486.02 ccw(c4995.65,2504.37) 5021.6,2504.37 ; C81.2@5014,2486.02 ccw(c4995.65,2504.37) 5021.6,2504.37 ; 5021.6,2504.37 ccw(c5047.55,2504.37) C81.2@5029.2,2486.02 ; 5021.6,2504.37 ccw(c5047.55,2504.37) C81.2@5029.2,2486.02 ; 5021.6,2504.37 ccw(c5047.55,2504.37) C81.2@5029.2,2486.02 ; C79.2@5013.32,2544.67 ccw(c5027.32,2536.04) 5015.69,2524.42 cw(c5027.32,2536.04) C79.2@5013.32,2544.67
  Bottom Layer w10: v1(4636.81,2906.24) 4636.81,2903.24 v1(4747.6,2792.45) ; v1@4641.81,2906.24 ccw(c4661.13,2906.24) 4647.47,2892.58 ; v1@4641.81,2906.24 ccw(c4661.13,2906.24) 4647.47,2892.58 ; v1@4641.81,2906.24 ccw(c4661.13,2906.24) 4647.47,2892.58 ; 4739.06,2800.98 cw(c4730.53,2792.45) v1@4742.6,2792.45 ; 4739.06,2800.98 ccw(c4747.6,2809.52) v1@4747.6,2797.45 ; 4739.06,2800.98 cw(c4730.53,2792.45) v1@4742.6,2792.45 ; 4739.06,2800.98 ccw(c4747.6,2809.52) v1@4747.6,2797.45 ; 4739.06,2800.98 ccw(c4747.6,2809.52) v1@4747.6,2797.45 ; 4739.06,2800.98 cw(c4730.53,2792.45) v1@4742.6,2792.45
pads on no net: J1.4 J1.7 J1.8 J1.9 U1.1 U1.2 U1.3 U1.4 U1.5 U1.6 U1.7 U1.8 U1.9 U1.10 U1.11 U1.12 U1.13 U1.14 U1.15 U1.18 U1.19 U1.20 U1.21 U1.22 U1.26 U1.27 U1.28 U1.29 U1.31 U1.32 U1.44 U1.46 U1.47 U1.49 U1.50 U1.53 U1.54 U1.55 U1.56 U1.57 U1.58 U1.59 U1.60 U1.63 U1.64 U1.68 U1.69 U1.70 U1.79 U1.85 U1.86 U1.87 U1.88 U1.89 U1.90 U1.91 U1.93 U1.96 U1.97 U1.98 U1.99 U1.102 U1.104 U1.115 U1.116 U1.117 U1.118 U1.119 U1.122 U1.123 U1.124 U1.125 U1.126 U1.127 U1.128 U1.129 U1.132 U1.135 U1.136 U2.11 U2.17 U2.19 U5.12 U5.14 U12.4 U13.4 U14.4 U15.0 U15.7 U15.13 U15.14 U17.0 U17.7 U17.13 U17.14 U20.3 U20.8 U20.12
copper on no net:
  other v1: -927.4,-1917.55 -877.4,-1867.55 -827.4,-1817.55 -777.4,-1767.55 -727.4,-1717.55 -677.4,-1667.55 -627.4,-1617.55 -577.4,-1567.55 -527.4,-1517.55

## Polygon pours and split planes (outlines as drawn)
no net on VCC "GND" (solid, remove dead copper, pour order 14): 1793.6,4133.86 2643.6,4133.86 2643.6,2054.45 2645.15,2052.9 3018.6,2052.9 3018.6,-3.55 2987.6,-34.55 -120.4,-34.55 -120.4,550.45 -112.4,558.45 -101.4,547.45 153.6,547.45 2170.6,547.45 2315.6,692.45 2315.6,3657.45 1795.6,3657.45 1793.6,3659.45